# Altium PCB Remote.PcbDoc (part 2 of 3) (continued)
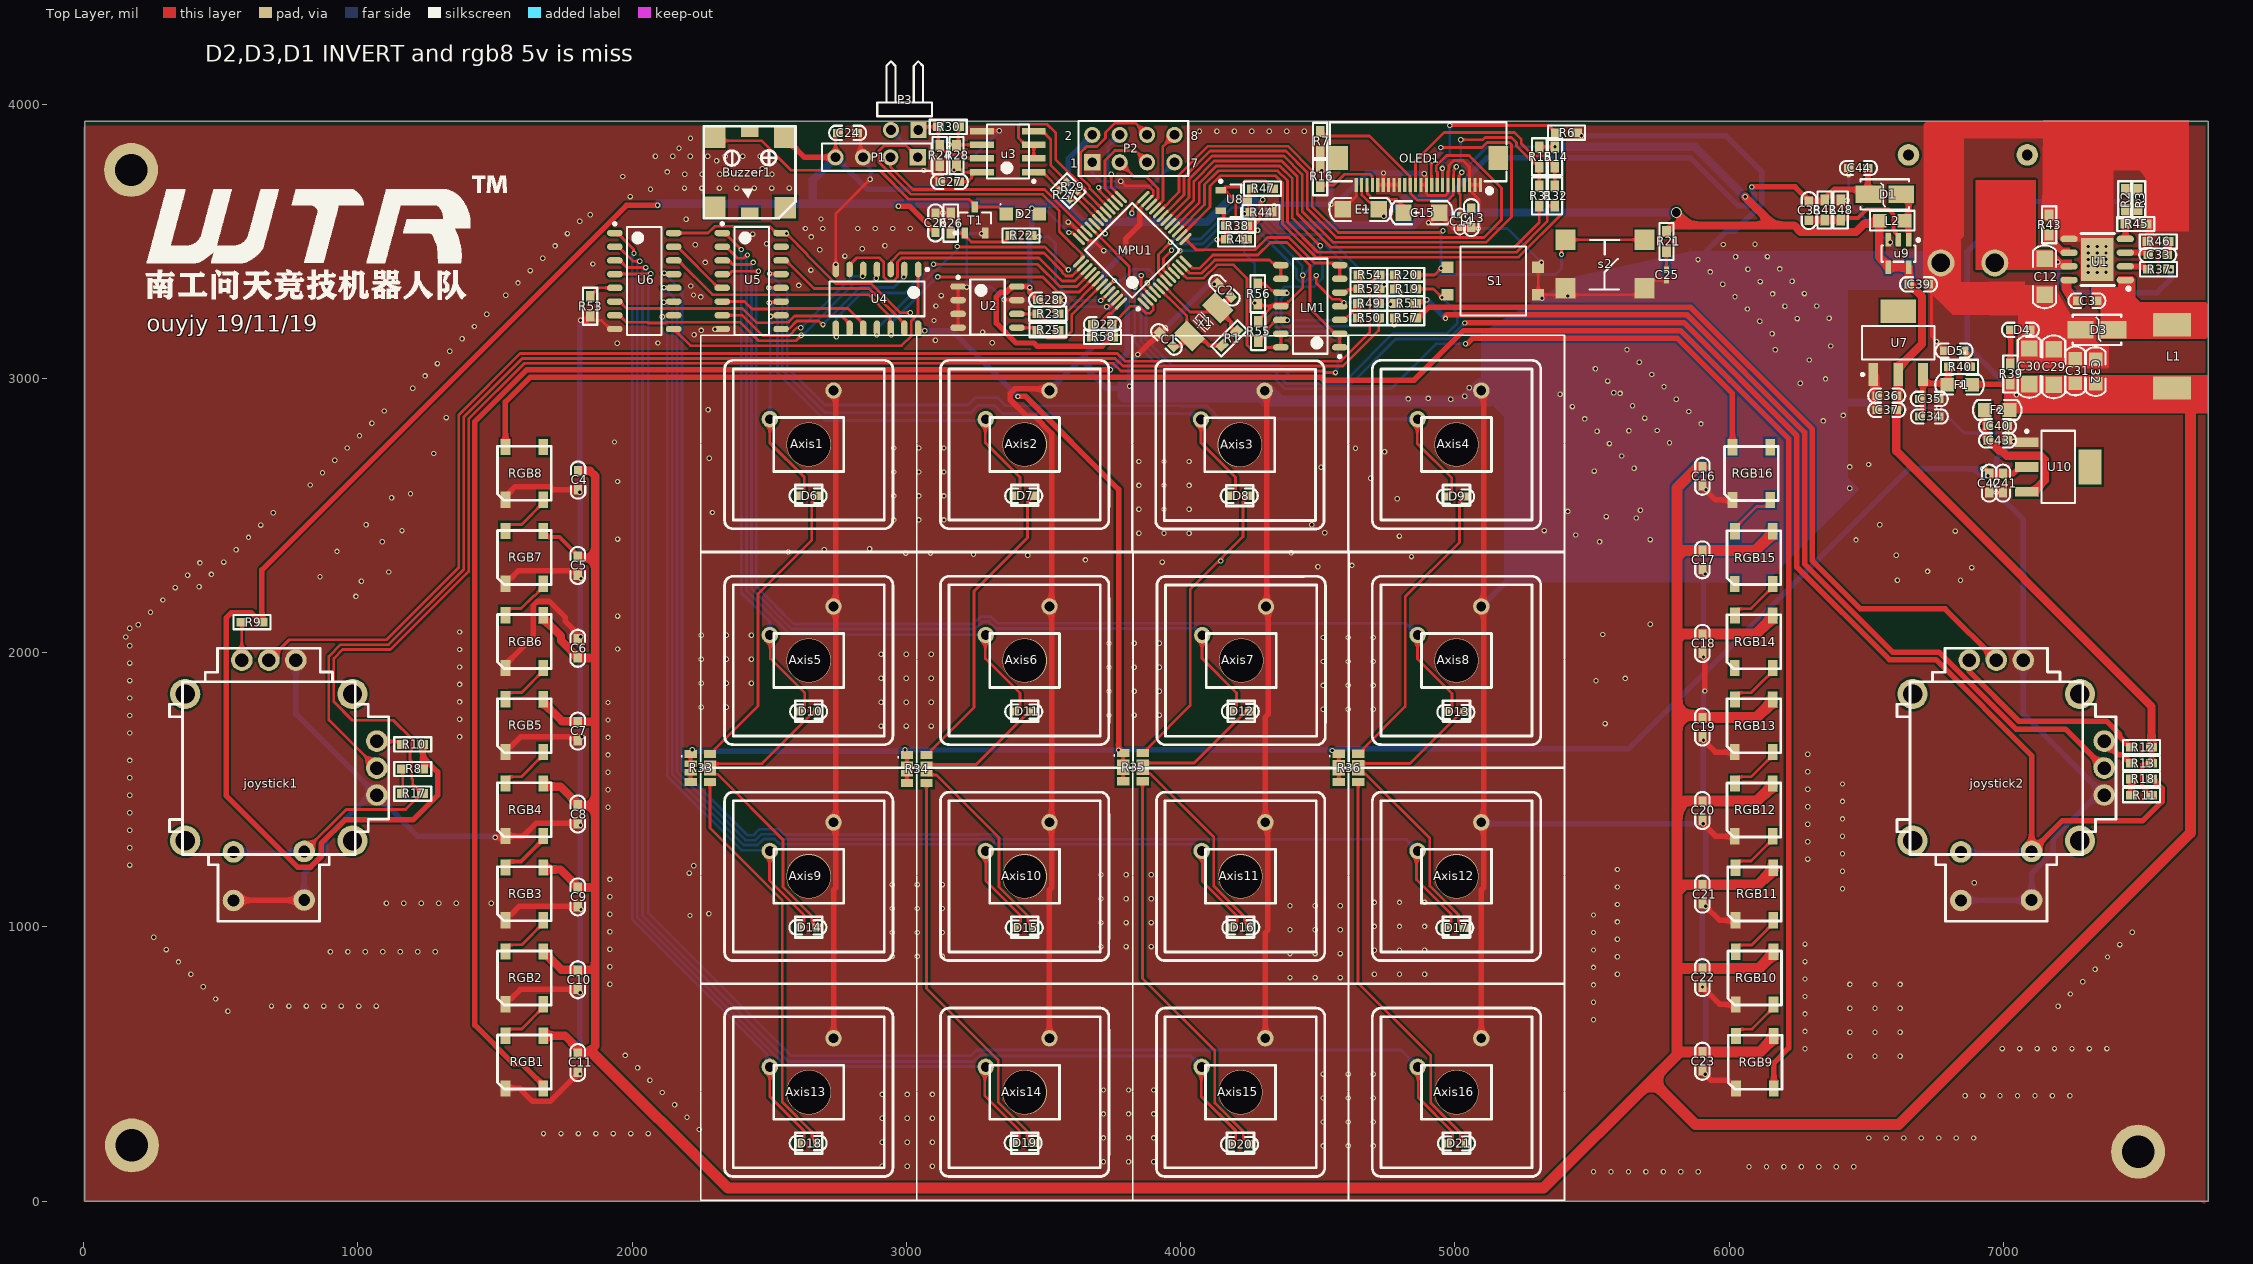
[diagram p0: Top Layer view]
## Nets (pads, with @x,y where several pads share a name; then routed paths per layer and width w, separated by ;. In a path a pad name is that pad's centre, name@x,y a point inside that pad or via, vN(x,y) a via of type N, cw(c..) or ccw(c..) an arc to the next point about the centre after c; other vN are vias at no path point) (continued)
K12: Axis12.1 D17.2 U6.13 | length 5058
  Top Layer w10: v1(2117,3384) 2118.85,3382.15 2149.42,3382.15 U6.13@2151.57,3380 ; Axis12.1@4860.27,1274.22 4860.27,1172.06 4986.22,1046.11 4986.22,1016.22 D17.2@4966,996
  Bottom Layer w10: v1(2117,3384) 2182,3319 2182,1708.91 ; 2182,1730 2182,1708.91 ; Axis12.1@4864.47,1276.62 4821.47,1319.62 4050.62,1319.62 3332.94,1319.62 3314.94,1337.62 3264.4,1337.62 3263.78,1337 2553.91,1337 2534.91,1356 2465.09,1356 2443.09,1334 2420.91,1334 2182,1572.91 2182,1708.91
K13: Axis13.1 D18.2 U6.1 | length 3623.9
  Top Layer w10: U6.1@1937,3530 1946,3530 2005.15,3470.85 2005.15,3457.85 v1(2007,3456) ; Axis13.1@2502.27,489.22 2502.27,380.45 2628.22,254.5 2628.22,231.22 D18.2@2608,211
  Bottom Layer w10: v1(2007,3456) 2001,3450 2001,1025.84 2492.7,534.14 2492.7,498.79 Axis13.1@2502.27,489.22
K14: Axis14.1 D19.2 U6.2 | length 4345.2
  Top Layer w10: U6.2@1937,3480 1950.7,3480 2003.16,3427.54 2027.46,3427.54 v1(2028,3427) ; Axis14.1@3286.27,490.22 3286.27,383.85 3412.22,257.9 3412.22,232.22 D19.2@3392,212
  Bottom Layer w10: v1(2028,3427) 2019,3418 2019,1033.3 2561.89,490.41 3288.48,490.41 Axis14.1@3289.67,489.22
K15: Axis15.1 D20.2 U6.3 | length 5117.8
  Top Layer w10: U6.3@1937,3430 1954.59,3430 1980.59,3404 v1(2050,3404) ; Axis15.1@4075.27,485.22 4075.27,382.26 4201.22,256.3 4201.22,227.22 D20.2@4181,207
  Bottom Layer w10: v1(2050,3404) 2038.07,3392.07 2038.07,3350.51 2038.07,1041.2 2570.27,509 3246,509 3270,533 3310.95,533 3314.65,529.3 4036.99,529.3 Axis15.1@4077.07,489.22
K16: Axis16.1 D21.2 U6.4 | length 5860.6
  Top Layer w10: U6.4@1937,3380 1938,3381 2067,3381 v1(2068,3382) ; Axis16.1@4866.47,488.22 4866.47,378.45 4992.42,252.5 4992.42,230.22 D21.2@4972.2,210
  Bottom Layer w10: v1(2068,3382) 2059.32,3373.32 2059.32,1050 2579.07,530.25 3235.25,530.25 3256,551 3318.4,551 ; 3318.4,550.55 4803.14,550.55 Axis16.1@4864.47,489.22
KEY_0: MPU1.38 U4.3 | length 796.6
  Top Layer w10: U4.3@2943,3397 2945.61,3399.61 2945.61,3426.88 2975.57,3456.84 3502.08,3456.84 3568.16,3390.77 3568.16,3386.54 3581.54,3373.16 3600.46,3373.16 3602.51,3375.21 3604.73,3373 MPU1.38@3643.74,3412.02
KEY_1: MPU1.39 U4.6 | length 1077.5
  Top Layer w10: U4.6@2793,3397 2793,3413.73 2819.27,3440 2901.82,3440 2917.81,3424.01 2917.81,3370.37 2932.72,3355.46 2953.28,3355.46 2968.15,3370.33 2968.15,3423.97 2983.02,3438.84 3484.26,3438.84 3568.41,3354.68 3614.25,3354.68 MPU1.39@3657.66,3398.1
KEY_2: MPU1.40 U4.8 | length 1130.4
  Top Layer w10: v1(3099,3416) 3479.26,3416 3560.26,3335 3622.4,3335 MPU1.40@3671.58,3384.18
  Bottom Layer w10: v1(2745,3151) 2745,3219.54 2836.46,3311 2994,3311 v1(3099,3416)
L_Z: joystick1.J2 MPU1.16 R17.1 | length 7603.6
  Top Layer w10: joystick1.J2@546.39,1273.17 joystick1.J2@547.31,1274.08 ; joystick1.J2@804.3,1275 957.5,1428.2 1174.45,1428.2 R17.1@1232.25,1486 ; R17.1@1236.5,1486 R17.1@1232.25,1486 ; MPU1.16@3985.04,3557.96 4068.4,3641.31 4068.4,3713 4130.15,3774.75 4361.65,3774.75 4407.57,3728.82 4407.57,3585.14 v1(4509.22,3483.5) v1@4513.5,3483.5 ; v1@4562.12,3023.88 4559.24,3021 4527.28,3021 4521.53,3026.76 3782.33,3026.76 3754.25,3054.84 1606.75,3054.84 1404,2852.09 1404,2296.09 1118.91,2011 944.46,2011 912.28,1978.82 912.28,1820.78 979.6,1753.46 1129.17,1753.46 1196.5,1686.13 1196.5,1643.87 1190,1637.37 1190,1609.63 1196.5,1603.13 1196.5,1540.5 1200,1537 1200,1518.25 R17.1@1232.25,1486
  Bottom Layer w10: joystick1.J2@546.39,1273.17 547.31,1274.08 803.38,1274.08 joystick1.J2@804.3,1275 ; v1(4509.22,3483.5) 4509.22,3422.33 4517.84,3413.71 4517.84,3365.54 4486.15,3333.84 4378.54,3333.84 4348.16,3303.46 4348.16,3188.84 4365,3172 4371.24,3172 4372.08,3171.16 4550.84,3171.16 4573,3149 4573,3037 4565,3029 v1(4565,3021)
LRGB_DIN: MPU1.3 RGB1.4 | length 5441
  Top Layer w10: v1(3857,3375) 3856.16,3374.16 3856.16,3337.41 MPU1.3@3892.9,3300.66
  Top Layer w20: RGB1.4@1675.8,411 1675.8,422.81 1600.33,498.27 1570.13,498.27 1427,641.4 1427,2842.56 1616.19,3031.76 v1(3744,3031.76)
  Bottom Layer w20: v1(3744,3031.76) 3805.16,3092.91 3805.16,3344.53 3834.12,3373.5 v1@3858.5,3373.5
LRGB_DOUT: RGB8.2 RGB9.4 | length 7514.9
  Top Layer w20: RGB8.2@1538.1,2749.67 1538.1,2914.07 1627.79,3003.76 4512,3003.76 4522.6,2993.16 4851.56,2993.16 5032.4,3174 5823,3174 6003.5,2993.5 6217,2780 6217,557.47 6163.2,503.67 RGB9.4@6163.2,410.33
MVCC3.3: Buzzer1.1 C13.2 C14.2 C24.1 C26.2 C27.1 C28.1 C36.1 C37.1 C39.2 D2.2 L2.1 LM1.4 MPU1.24 MPU1.36 MPU1.48 OLED1.5 P1.4 P2.2 R8.2 R9.1 R10.1 R11.2 R12.1 R13.1 R14.1 R15.1 R19.1 R20.2 R21.2 R23.2 R25.2 R28.1 R38.2 R58.2 U2.8 u3.8 U7.2 u9.4 u9.5 | length 17555.2
  Top Layer w10: P1.4@2742,3806 2742,3886 C24.1@2751,3895 ; R28.1@3183,3772.25 3193.75,3761.5 3198,3761.5 3207.5,3752 u3.8@3244.53,3752 ; C27.1@3192,3717 3224.5,3717 3237.72,3730.22 3237.72,3745.19 u3.8@3244.53,3752 ; u3.8@3263,3752 u3.8@3244.53,3752 ; C28.1@3480,3287 3482.5,3287 3504.75,3264.75 3519.5,3264.75 3548.25,3236 R23.2@3552.5,3236 ; v1(3530,3182.61) 3546.39,3182.61 3552.5,3176.5 R25.2@3552.5,3189.25 ; v1(3593,3532) 3605,3532 3628.94,3508.06 MPU1.36@3629.82,3508.06 ; R58.2@3747.75,3151 3729.75,3169 3726.12,3169 3718.5,3176.62 3718.5,3217.38 3738.04,3236.93 3747.04,3236.93 MPU1.48@3782.94,3272.82 ; v1(3822.53,3602) 3824.38,3603.85 3824.38,3620.49 MPU1.24@3865.06,3661.18 ; v1(4495,3375) 4495,3346.75 4553.56,3288.19 4581.19,3288.19 4593.38,3276 v1(4596,3276) ; R19.1@4784.5,3326 R20.2@4784.5,3377 ; OLED1.5@5014,3690.37 5015.42,3688.95 5015.42,3674.72 5020,3670.14 5020,3599.92 C14.2@5023.37,3603.29 ; OLED1.5@5014.64,3705.69 5015.42,3706.47 5015.42,3738.8 5025,3748.38 v1(5025,3751) ; C14.2@5018.53,3595.07 5018.53,3596.29 5023.53,3601.29 5043.53,3601.29 5060.16,3617.92 C13.2@5060.16,3620.42 ; C14.2@5023.06,3603.36 5026.69,3606.99 C14.2@5026.69,3601.73 ; C14.2@5025.53,3587.57 C14.2@5025.53,3595.07 ; R15.1@5308,3844.5 v1(5365,3844.5)
  Top Layer w15: v1(4281,3540) 4250.27,3540 4247.27,3543 4269.38,3565.11 4273.28,3565.11 4292,3583.83 4292,3643 v1(4300,3651) ; R11.2@7541,1480 7536.75,1480 7505.5,1511.25 7505.5,1592.5 7536.5,1592.5 R13.1@7541,1597 R12.1@7541,1655
  Top Layer w20: R8.2@1236.5,1575.5 1236.5,1619.25 ; R10.1@1236.5,1665 1236.5,1619.25 ; v1(2093,3631) 1979.11,3631 650,2301.89 R9.1@650,2111 645.75,2111 612,2144.75 537.75,2144.75 519.6,2126.6 519.6,1478.57 780.54,1217.63 828.06,1217.63 866,1255.57 866,1303.01 954.14,1391.15 1202.86,1391.15 1291,1479.3 1291,1564.75 1236.5,1619.25 ; Buzzer1.1@2556,3879 2629,3806 P1.4@2742,3806 ; v1(2971,3628) 3011,3628 3098.5,3540.5 3101,3540.5 3106,3535.5 C26.2@3106,3533 ; v1(3174,3760) 3174,3763.25 R28.1@3183,3772.25 ; C28.1@3480,3287 3477.5,3287 3450,3314.5 v1(3450,3331) 3446.69,3334.31 3403.98,3334.31 U2.8@3403.28,3335 3385.57,3335 3365.41,3314.84 3344.47,3314.84 3328.16,3298.53 3328.16,3201.23 3400.39,3129 3465,3129 3476.75,3117.25 3714,3117.25 R58.2@3747.75,3151
  Top Layer w30: R21.2@5772,3536 5772,3540.25 5772.75,3541 5777,3541 5793,3557 5856,3557 ; v3(5808,3605) 5856,3557 ; v1(6059,3662) 6164,3557 ; L2.1@6550,3575 L2.1@6547.6,3572.6 ; R12.1@7541,1655 7541,1803.62 6610,2734.62 C37.1@6610,2885 6612.5,2885 6617,2889.5 U7.2@6617,3014.15 6617,3038.75 6703.98,3125.73 6703.98,3298.52 6659.5,3343 C39.2@6657,3343 6656.2,3343 6656.2,3404.2 u9.5@6655.4,3405 u9.4@6580.6,3405 6580.6,3410 6547.6,3443 L2.1@6547.6,3572.6 ; 5856,3557 6164,3557 ; 6164,3557 6238,3557 6261,3534 6462.73,3534 6493.73,3565 6540,3565 L2.1@6547.6,3572.6
  Bottom Layer w10: v1(3458,3620.42) 3502.58,3620.42 3591,3532 v1(3593,3532) ; v1(3530,3182.61) v1(3530,3235) ; v1(4281,3540) 4423.16,3397.84 4423.16,3366.54 4436.54,3353.16 4455.46,3353.16 4464.31,3362.01 4473.16,3353.16 v1(4495,3375) ; v1(4596,3276) 4680.71,3276 4693.71,3289 4736.54,3289 4753.54,3306 4795.42,3306 v1(4804,3314.58) ; v1(5025,3751) 5118.5,3844.5 v1(5365,3844.5)
  Bottom Layer w20: P1.4@2742,3806 2858.84,3689.16 3103.16,3689.16 v1(3174,3760) ; v1(3450,3331) 3450,3522.38 3458,3530.38 v1(3458,3620.42) ; 3590.26,3622.74 3590.26,3636.84 3590.26,3800.26 P2.2@3678,3888 ; 3804,3570.51 3822.53,3589.04 v1(3822.53,3602)
  Bottom Layer w30: v1@2093,3634 2095.84,3636.84 2659,3636.84 2971,3636.84 3590.26,3636.84 ; 2659,3649 2659,3723 P1.4@2742,3806 ; 3590.26,3622.74 3642.49,3570.51 3804,3570.51 4096.46,3570.51 4179.95,3654 4264.55,3654 4360.55,3558 4847.54,3558 4894.54,3605 v3(5808,3605) ; v1(5365,3844.5) 5876.5,3844.5 v1(6059,3662)
NetBuzzer1_2: Buzzer1.2 D2.1 T1.3 | length 1184
  Top Layer w10: Buzzer1.2@2301,3879.35 2313.69,3866.67 2471.21,3866.67 2578.88,3759 2903,3759 3009,3653 3228.96,3653 3249.6,3632.36 T1.3@3249.6,3625.15 ; T1.3@3249.6,3624.49 T1.3@3249.6,3625.15 ; D2.1@3363.96,3599 3362.98,3599 3336.83,3625.15 T1.3@3249.6,3625.15
NetC1_1: C1.1 MPU1.5 R1.2 x1.1 | length 431.9
  Top Layer w10: MPU1.5@3920.74,3328.5 3956.4,3292.84 3957.46,3292.84 4022.75,3227.55 4022.75,3164.24 x1.1@4032.5,3154.5
  Top Layer w15: C1.1@3973.33,3117.25 3995.25,3117.25 x1.1@4032.5,3154.5 4069.22,3154.5 4103.53,3120.19 4134.51,3120.19 4137.52,3117.18 4149.18,3117.18 R1.2@4152.19,3120.19
NetC2_2: C2.2 MPU1.6 R1.1 x1.2 | length 433.7
  Top Layer w10: MPU1.6@3934.66,3342.42 4035.08,3242 4120,3242 x1.2@4135.5,3257.5
  Top Layer w15: C2.2@4184,3297 4144.5,3257.5 x1.2@4135.5,3257.5 4135.5,3253.5 4183.5,3205.5 4183.5,3186.11 4200.8,3168.8 R1.1@4203.81,3171.81
NetC3_1: C3.1 D3.2 L1.1 U1.1
NetC3_2: C3.2 U1.8
NetC25_1: C25.1 R21.1 | length 66.3
  Top Layer w10: C25.1@5772,3396.68 R21.1@5772,3463
NetC33_1: C33.1 U1.3 | length 87.2
  Top Layer w20: U1.3@7444.87,3458.5 7517.51,3458.5 7526.01,3450 C33.1@7528.51,3450
NetC33_2: C33.2 R46.2 | length 50.7
  Top Layer w20: C33.2@7597.51,3450 7599.51,3452 7599.51,3497 R46.2@7601.51,3499
NetC34_2: C34.2 C35.2 F1.2 R40.1 U7.3 | length 321.1
  Top Layer w20: C34.2@6696.55,2861 6699.05,2861 6704.05,2866 6704.05,2868.5 6707.55,2872 U7.3@6707.55,2989.54 ; U7.3@6707.55,3014.15 U7.3@6707.55,2989.54 ; R40.1@6804,3042 6800,3038 6800,2981 F1.2@6796,2977 6791.18,2981.82 6715.27,2981.82 U7.3@6707.55,2989.54
NetC38_1: C38.1 R42.1 R48.2 u9.2 | length 467.3
  Top Layer w15: R48.2@6414,3585 6470.59,3585 6501.09,3615.5 6581.42,3615.5 6599.5,3597.42 6599.5,3543.58 6606.1,3536.98 6606.1,3531.9 6618,3520 u9.2@6618,3505
  Top Layer w20: C38.1@6291,3577 R48.2@6407,3577 6407,3572.9 6412.75,3567.15 6412.75,3583.75 R48.2@6414,3585 ; u9.2@6618,3490 u9.2@6618,3505
NetC40_2: C40.2 C43.2 F2.2 U10.3 | length 516.3
  Top Layer w30: F2.2@6933,2885 6939,2879 6939,2779 6944,2774 C43.2@6945,2774 6945,2777.97 6986.97,2736 6995.5,2736 7013.78,2717.72 7137.5,2717.72 7150.97,2704.24 7150.97,2627.17 7110.25,2586.45 U10.3@7085.65,2586.45
NetD1_1: D1.1 L2.2 u9.1 | length 180.8
  Top Layer w20: D1.1@6628,3671 6633.91,3671 6655.4,3649.5 u9.1@6655.4,3505
NetD4_1: D4.1 R39.2 | length 125.1
  Top Layer w20: R39.2@7026,3052.5 7026.75,3053.25 7026.75,3176.25 D4.1@7027.5,3177
NetD5_1: D5.1 R40.2 | length 69.2
  Top Layer w20: D5.1@6856,3101 6858.5,3101 6871.75,3087.75 6871.75,3047.25 R40.2@6877,3042
NetD6_1: D6.1 R33.8 | length 1108.9
  Top Layer w10: R33.8@2284,1630.43 2291.87,1630.43 2301.64,1640.2 2301.64,1648.07 2459.27,1805.7 2459.27,2214.26 2655.56,2410.55 2655.56,2550.78 D6.1@2676.78,2572
NetD7_1: D7.1 R34.8 | length 1110.8
  Top Layer w10: R34.8@3073.43,1627.18 3081.31,1627.18 3091.07,1636.94 3091.07,1644.82 3246.67,1800.42 3246.67,2223.85 3441.78,2418.96 3441.78,2550.78 D7.1@3463,2572
NetD8_1: D8.1 R35.8 | length 1104.1
  Top Layer w10: R35.8@3861.43,1633.18 3869.31,1633.18 3879.07,1642.94 3879.07,1650.82 4035,1806.75 4035,2229.91 4228,2422.91 4228,2550.78 D8.1@4249.22,2572
  other v1: 4147,2334
NetD9_1: D9.1 R36.8 | length 1104.2
  Top Layer w10: R36.8@4647.43,1631.18 4655.31,1631.18 4665.07,1640.94 4665.07,1648.82 4819,1802.75 4819,2203.52 5016.78,2401.3 5016.78,2547.78 D9.1@5038,2569
NetD10_1: D10.1 R33.7 | length 457.5
  Top Layer w10: R33.7@2284,1595 2474.13,1595 2652.84,1773.71 2652.84,1773.94 D10.1@2663,1784.09
NetD11_1: D11.1 R34.7 | length 475.7
  Top Layer w10: R34.7@3073.43,1591.75 3255.1,1591.75 3455.68,1792.32 D11.1@3463,1785
NetD12_1: D12.1 R35.7 | length 475.6
  Top Layer w10: R35.7@3861.43,1597.75 4050.1,1597.75 4245.68,1793.32 D12.1@4253,1786
NetD13_1: D13.1 R36.7 | length 469.1
  Top Layer w10: R36.7@4647.43,1595.75 4837.1,1595.75 5024.35,1783 D13.1@5039,1783
NetD14_1: D14.1 R33.6 | length 739.8
  Top Layer w10: R33.6@2284,1563.5 2290.81,1556.69 2311.16,1556.69 2550.29,1317.57 2550.29,1145.29 2654.78,1040.8 2654.78,1019.22 D14.1@2676,998
NetD15_1: D15.1 R34.6 | length 742.6
  Top Layer w10: R34.6@3073.43,1560.25 3080.24,1553.44 3109.56,1553.44 3337.69,1325.31 3337.69,1145.29 3443.78,1039.2 3443.78,1018.22 D15.1@3465,997
NetD16_1: D16.1 R35.6 | length 743.1
  Top Layer w10: R35.6@3861.43,1566.25 3868.24,1559.44 3888.6,1559.44 4121,1327.04 4121,1149.38 4233.56,1036.82 4233.56,1019.22 D16.1@4254.78,998
NetD17_1: D17.1 R36.6 | length 740.7
  Top Layer w10: R36.6@4647.43,1564.25 4654.24,1557.44 4674.6,1557.44 4909,1323.04 4909,1148.78 5013.78,1044 5013.78,1017.22 D17.1@5035,996
NetD18_1: D18.1 R33.5 | length 1479.9
  Top Layer w10: R33.5@2284,1528.07 2284,1360.67 2548,1096.67 2548,360.18 2655.78,252.4 2655.78,232.22 D18.1@2677,211
NetD19_1: D19.1 R34.5 | length 1473.4
  Top Layer w10: R34.5@3073.43,1524.82 3073.43,775.57 3335,514 3335,360.58 3439.78,255.8 3439.78,233.22 D19.1@3461,212
NetD20_1: D20.1 R35.5 | length 1484.8
  Top Layer w10: R35.5@3861.43,1530.82 3861.43,811.57 4125,548 4125,357.98 4228.78,254.2 4228.78,228.22 D20.1@4250,207
NetD21_1: D21.1 R36.5 | length 1481.9
  Top Layer w10: R36.5@4647.43,1528.82 4647.43,795.57 4912.5,530.5 4912.5,357.89 5019.98,250.4 5019.98,231.22 D21.1@5041.2,210
NetD22_1: D22.1 R58.1 | length 46.4
  Top Layer w20: R58.1@3679,3151 3679.5,3151.5 3679.5,3196.5 D22.1@3680,3197
NetD22_2: D22.2 MPU1.2 | length 300.1
  Top Layer w10: D22.2@3749,3197 3751.5,3197 3817.85,3263.35 3847.8,3263.35 3873.24,3237.91 3888.9,3237.91 3899.98,3248.99 3899.98,3264.65 3878.19,3286.44 3857.5,3307.12 3857.5,3307.74 3878.49,3286.74 MPU1.2@3878.98,3286.74
Netjoystick1_1: joystick1.1 R9.2 | length 142.6
  Top Layer w10: joystick1.1@576.97,1972.7 R9.2@577,2111 ; R9.2@577,2111 R9.2@581.25,2111
Netjoystick1_4: joystick1.4 R10.2 | length 137.6
  Top Layer w10: joystick1.4@1087.7,1677.43 joystick1.4@1069.09,1677.43 1070.77,1675.75 1152.75,1675.75 R10.2@1163.5,1665 1167.75,1665 R10.2@1178.5,1675.75
Netjoystick2_1: joystick2.1 R12.2 | length 752.5
  Top Layer w20: joystick2.1@6876.18,1972.7 6876.18,1931.17 7058.35,1749 7377.87,1749 7425.68,1701.19 7425.68,1693.07 7463.75,1655 R12.2@7468,1655
Netjoystick2_4: joystick2.4 R13.2 | length 133
  Top Layer w20: joystick2.4@7368.31,1677.43 7417.36,1628.37 7432.38,1628.37 7463.75,1597 R13.2@7468,1597
NetLM1_3: LM1.3 R49.2 R50.1 | length 153.8
  Top Layer w10: LM1.3@4580.57,3213 4597.3,3213 4634.5,3250.2 4634.5,3262.25 4645.25,3273 R49.2@4649.5,3273 R50.1@4649.5,3220
NetLM1_5: LM1.5 R52.2 R54.1 | length 130.2
  Top Layer w10: LM1.5@4580.57,3313 4600.99,3313 4612.99,3325 4649,3325 R52.2@4651,3327 ; R52.2@4651,3323 R52.2@4651,3327 ; R54.1@4651,3377 R52.2@4651,3327
NetLM1_10: LM1.10 R56.1 R57.1 | length 668.5
  Top Layer w10: LM1.10@4366,3313 4358.81,3320.19 4331.53,3320.19 4306.72,3345 R56.1@4283,3345 ; v1(4779,3196) 4779,3200 4776,3203 4784.5,3211.5 R57.1@4784.5,3220 ; R56.1@4283,3345 4283,3343.61 R56.1@4281.61,3345 R56.1@4283,3345
  Bottom Layer w10: v1(4388,3311) 4366.16,3289.16 4366.16,3202.54 4379.54,3189.16 4398.46,3189.16 4399.3,3190 4677.46,3190 4683.46,3196 v1(4779,3196)
NetLM1_12: LM1.12 R51.1 R55.1 | length 581.7
  Top Layer w10: R55.1@4283,3134.26 4320.2,3171.46 4320.2,3183.94 4349.27,3213 LM1.12@4366,3213 ; v1(4765,3270) 4765,3281.5 4770.5,3287 R51.1@4784.5,3273
  Bottom Layer w10: v1(4389,3212) 4674,3212 4732,3270 v1(4765,3270) 4765,3284 4761,3288
NetR2_1: R2.1 R3.1 | length 46
  Top Layer w20: R2.1@7445.51,3688 R3.1@7491.51,3688
NetR2_2: R2.2 R45.2 U1.4 | length 107.4
  Top Layer w20: U1.4@7444.87,3508.5 7445.94,3509.57 7445.94,3563.43 7446.26,3563.75 7446.26,3614.25 R2.2@7445.51,3615
NetR8_1: R8.1 R17.2 | length 89.5
  Top Layer w10: R17.2@1163.5,1486 R8.1@1163.5,1575.5
NetR11_1: R11.1 R18.2 | length 59
  Top Layer w20: R11.1@7468,1480 R18.2@7468,1539
NetR22_2: R22.2 R26.1 T1.1 | length 247.7
  Top Layer w10: R26.1@3162,3529.5 3162.5,3530 T1.1@3212.2,3530 3212.2,3522.13 3237.01,3497.31 3357.81,3497.31 R22.2@3381.5,3521
NetR37_1: R37.1 U1.2 | length 89
  Top Layer w20: U1.2@7444.87,3408.5 7514.75,3408.5 7525.25,3398 R37.1@7529.51,3398
NetR41_1: R41.1 R47.2 U8.1 | length 433.8
  Top Layer w10: U8.1@4146.76,3685.4 U8.1@4154.63,3685.4 ; R41.1@4240.72,3507 4236.47,3507 4216.22,3527.25 4215.77,3527.25 4201.16,3541.87 4201.16,3646.84 4157.2,3690.8 4154.87,3690.8 4161.69,3697.61 4213.98,3697.61 4237.12,3720.75 4308.5,3720.75 4331.25,3698 R47.2@4335.5,3698
NetR43_2: R43.2 U1.6
NetR53_1: R53.1 U6.5 | length 105.1
  Top Layer w10: R53.1@1847,3299.5 1847,3303.75 1857.75,3314.5 1862,3314.5 1877.5,3330 U6.5@1937,3330
NetRGB1_2: RGB1.2 RGB2.4 | length 199
  Top Layer w10: RGB1.2@1538.1,603 1538.1,614.81 1550.82,627.53 1597.47,627.53 1675.8,705.86 RGB2.4@1675.8,717.67
NetRGB2_2: RGB2.2 RGB3.4 | length 199
  Top Layer w10: RGB2.2@1538.1,909.67 1538.1,921.48 1550.82,934.19 1597.47,934.19 1675.8,1012.52 RGB3.4@1675.8,1024.33
NetRGB3_2: RGB3.2 RGB4.4 | length 199
  Top Layer w15: RGB3.2@1538.1,1216.33 1538.1,1228.14 1548.32,1238.36 1594.97,1238.36 1675.8,1319.19 RGB4.4@1675.8,1331
NetRGB4_2: RGB4.2 RGB5.4 | length 199
  Top Layer w10: RGB4.2@1538.1,1523 1538.1,1534.81 1550.82,1547.53 1597.47,1547.53 1675.8,1625.86 RGB5.4@1675.8,1637.67
NetRGB5_2: RGB5.2 RGB6.4 | length 199
  Top Layer w10: RGB5.2@1538.1,1829.67 1538.1,1841.48 1550.82,1854.19 1597.47,1854.19 1675.8,1932.52 RGB6.4@1675.8,1944.33
NetRGB6_2: RGB6.2 RGB7.4 | length 187.2
  Top Layer w10: RGB6.2@1538.1,2148.14 1550.82,2160.86 1595.3,2160.86 1641.3,2206.86 1643.47,2206.86 1675.8,2239.19 RGB7.4@1675.8,2251
NetRGB7_2: RGB7.2 RGB8.4 | length 199
  Top Layer w10: RGB7.2@1538.1,2443 1538.1,2454.81 1550.82,2467.53 1597.47,2467.53 1675.8,2545.86 RGB8.4@1675.8,2557.67
NetRGB9_2: RGB9.2 RGB10.4 | length 198
  Top Layer w10: RGB9.2@6025.5,602.33 6025.5,614.14 6038.22,626.86 6083.87,626.86 6162.2,705.19 RGB10.4@6162.2,717
NetRGB10_2: RGB10.2 RGB11.4 | length 198
  Top Layer w10: RGB10.2@6024.5,909 6024.5,920.81 6037.22,933.53 6082.87,933.53 6161.2,1011.86 RGB11.4@6161.2,1023.67
NetRGB11_2: RGB11.2 RGB12.4 | length 197
  Top Layer w10: RGB11.2@6023.5,1215.67 6023.5,1227.48 6036.22,1240.19 6080.87,1240.19 6159.2,1318.52 RGB12.4@6159.2,1330.33
NetRGB12_2: RGB12.2 RGB13.4 | length 199
  Top Layer w10: RGB12.2@6021.5,1522.33 6021.5,1534.14 6034.22,1546.86 6080.87,1546.86 6159.2,1625.19 RGB13.4@6159.2,1637
NetRGB13_2: RGB13.2 RGB14.4 | length 199
  Top Layer w10: RGB13.2@6021.5,1829 6021.5,1840.81 6034.22,1853.53 6080.87,1853.53 6159.2,1931.85 RGB14.4@6159.2,1943.67
NetRGB14_2: RGB14.2 RGB15.4 | length 199
  Top Layer w10: RGB14.2@6021.5,2135.67 6021.5,2147.48 6034.22,2160.19 6080.87,2160.19 6159.2,2238.52 RGB15.4@6159.2,2250.33
NetRGB15_2: RGB15.2 RGB16.4 | length 190
  Top Layer w10: RGB15.2@6021.5,2442.33 6021.5,2454.14 6099.83,2532.47 6137.48,2532.47 6150.2,2545.19 RGB16.4@6150.2,2557
NetU5_5: U5.5 U6.15 | length 239.3
  Top Layer w10: U6.15@2151.57,3480 2165.14,3480 2315.14,3330 U5.5@2328.72,3330
NRST: MPU1.7 s2.1 | length 2159.5
  Top Layer w10: MPU1.7@3948.58,3356.34 3948.58,3356.83 3919.42,3385.99 3919.42,3452.12 3963.59,3496.29 v1(3963.59,3497.05) ; v1(5389,3452) 5389,3491.27 s2.1@5403.31,3505.58 s2.1@5692.68,3505.58
  Bottom Layer w10: v1(3963.59,3497.05) 3966.21,3497.05 3977.16,3508 4073.54,3508 4188.39,3622.84 4255.92,3622.84 4354.42,3524.34 4526.14,3524.34 4671.92,3378.56 5367.56,3378.56 5389,3400 v1(5389,3452)
R_Z: joystick2.J2 MPU1.4 R18.1 | length 5859.2
  Top Layer w10: v1(3879,3349) 3880.85,3347.15 3880.85,3341.04 3906.82,3315.07 MPU1.4@3906.82,3314.58 MPU1.4@3907.31,3314.58
  Top Layer w20: v1@5044,3202.99 5835.01,3202.99 6247,2791 6247,2312 6584.93,1974.07 6754.08,1974.07 7103.51,1624.64 joystick2.J2@7103.51,1275 7215.63,1387.12 7509.32,1387.12 7579,1456.8 7579,1505.25 7545.25,1539 R18.1@7541,1539
  Bottom Layer w10: v1@3879.93,3348.07 3855.84,3323.99 3855.84,3134.7 3961.54,3029 4338.46,3029 4387.3,2980.16 4620.92,2980.16 4784.76,3144 4978,3144 v1(5036,3202) ; joystick2.J2@6845.61,1273.17 6846.52,1274.08 7102.59,1274.08 joystick2.J2@7103.51,1275
RES: MPU1.19 OLED1.9 | length 2121.6
  Top Layer w10: 3956.14,3612.57 3935.15,3591.58 MPU1.19@3934.66,3591.58 3955.9,3612.82 4012.54,3669.46 4012.54,3733.5 4107.79,3828.75 4384.02,3828.75 4462,3750.76 4462,3620 4568,3514 5106.31,3514 5170.77,3578.46 5170.77,3694.44 5052.37,3812.84 4969.84,3812.84 4932.16,3775.16 4932.16,3756.23 4936.68,3751.71 4936.68,3712.56 OLED1.9@4935.12,3711
RRGB_DOUT: MPU1.33 RGB16.2 | length 3084.8
  Top Layer w10: MPU1.33@3671.58,3549.82 3671.58,3549.39 3702.16,3518.82 3702.16,3518.54 3813,3407.7 3813,3353 v1(3833,3333)
  Top Layer w20: v1@5044,3126 5064,3146 5811.4,3146 5975.5,2981.9 6012.5,2944.9 RGB16.2@6012.5,2749
  Bottom Layer w10: v1(3833,3333) 3833,3132.09 3954.09,3011 4331,3011 4379.84,2962.16 4767.4,2962.16 4931.24,3126 v1(5039,3126)
SCL: OLED1.13 R14.2 R32.1 | length 771.5
  Top Layer w10: OLED1.13@4857.16,3705.69 4857.16,3793.16 4961,3897 5201.37,3897 5202.06,3896.31 5217.69,3896.31 5242.77,3871.23 5242.77,3855.6 5286.87,3811.5 5329.25,3811.5 5365,3775.75 R14.2@5365,3771.5 R32.1@5365,3702
SPI1_MOSI: MPU1.17 R31.2 | length 1788.6
  Top Layer w10: MPU1.17@3962.5,3563.74 3962.74,3563.74 4048.54,3649.54 4048.54,3718.59 4122.7,3792.75 4369.1,3792.75 4425.57,3736.28 4425.57,3600.43 4548,3478 5217.22,3478 5308,3568.78 R31.2@5308,3629
SPI1_SCK: MPU1.15 R32.2 | length 1823.7
  Top Layer w10: MPU1.15@3990.34,3535.9 4087.74,3633.3 4087.74,3706.88 4137.61,3756.75 4354.19,3756.75 4389.57,3721.37 4389.57,3570.84 4500.41,3460 5224.68,3460 5336.75,3572.07 5336.75,3629 R32.2@5365,3629
SPI2_MISO: MPU1.27 P2.7 | length 400.2
  Top Layer w10: v1(3701,3696) 3701,3687.44 MPU1.27@3755.1,3633.34
  Bottom Layer w10: v1(3701,3696) 3886,3696 P2.7@3978,3788
SPI2_MOSI: MPU1.28 P2.6 | length 563.9
  Top Layer w10: MPU1.28@3741.18,3619.42 3741.18,3619.91 3669.23,3691.85 3669.23,3699.22 3635.47,3732.98 3635.47,3822.91 3658.03,3845.47 3695.62,3845.47 3726.27,3876.13 3726.27,3896.42 3760.38,3930.53 3835.47,3930.53 P2.6@3878,3888
SPI2_SCK: MPU1.26 P2.5 | length 352.1
  Top Layer w10: MPU1.26@3769.02,3647.26 3724.16,3692.12 3724.16,3794.3 3760.38,3830.53 3835.47,3830.53 P2.5@3878,3788
SWCLK: MPU1.37 P1.1 | length 1165.4
  Top Layer w10: P1.1@3042,3806 2999.47,3848.53 2919.53,3848.53 2899.47,3828.47 2899.47,3788.38 3016.86,3671 3497.11,3671 3558,3610.11 3558,3534.7 3583.54,3509.16 3584.84,3509.16 3641.7,3452.3 3641.7,3437.82 MPU1.37@3629.82,3425.94
SWDIO: MPU1.34 P1.2 | length 847.9
  Top Layer w10: P1.2@2942,3806 2942,3771.31 3024.31,3689 3504.56,3689 MPU1.34@3657.66,3535.9
UART_RX: MPU1.31 R27.2 | length 137.3
  Top Layer w10: R27.2@3592.97,3652.03 3595.09,3649.91 3627.17,3649.91 MPU1.31@3699.42,3577.66
UART_TX: MPU1.30 R29.1 | length 128.8
  Top Layer w10: R29.1@3621.97,3682.03 3622.43,3682.03 3712.88,3591.58 MPU1.30@3713.34,3591.58
VCCOMH: C15.1 OLED1.22 | length 173.3
  Top Layer w10: OLED1.22@4680.77,3696 4680.77,3674.72 4696.49,3659 4757.38,3659 4764.38,3652 4788,3652 C15.1@4813,3627
VIN: C12.2 P4.1 R37.2 U1.7 | length 547.6
  Bottom Layer w20: v1(7199,3424) 7199,3361 7247,3313 7561,3313 7611,3363 v1(7611,3395)
VLED3.3: C41.1 C42.1 R33.1 R33.2 R33.3 R33.4 R34.1 R34.2 R34.3 R34.4 R35.1 R35.2 R35.3 R35.4 R36.1 R36.2 R36.3 R36.4 U4.14 U5.16 U6.16 U10.2 | length 8803.9
  Top Layer w10: U6.16@2151.57,3530 2276.9,3530 2301.71,3554.81 2501.74,3554.81 2528.55,3528 v1(2563,3528) 2638.52,3452.48 2638.52,3449.66 2742.18,3346 2871.62,3346 2978.62,3239 v1(3014,3239) ; R33.4@2213.13,1528.07 R33.3@2213.13,1563.5 R33.2@2213.13,1595 R33.1@2213.13,1630.43 ; R34.4@3002.57,1524.82 R34.3@3002.57,1560.25 R34.2@3002.57,1591.75 R34.1@3002.57,1627.18 ; U4.14@3043,3182.43 3043,3180.29 3049.29,3174 v1(3067,3174) ; R35.4@3790.57,1530.82 R35.3@3790.57,1566.25 R35.2@3790.57,1597.75 R35.1@3790.57,1633.18 ; R36.4@4576.57,1528.82 R36.3@4576.57,1564.25 R36.2@4576.57,1595.75 R36.1@4576.57,1631.18
  Top Layer w20: v1(3407,2934) 3435.5,2934 3774,2595.5 v1(3774,1645) ; v1(6926,2670) 6934.5,2670 6949,2655.5 C42.1@6949,2653 7037.04,2653 7061.04,2677 U10.2@7085.65,2677
  Bottom Layer w10: v1(3014,3239) 3015.85,3237.15 3015.85,3225.15 v1(3067,3174)
  Bottom Layer w20: v1(2219,1646) 2225,1640 2980,1640 ; 2980,1646 v1(2995,1646) 2996.18,1644.82 3774,1644.82 3804.18,1644.82 3804,1645 4553,1645 4573,1645 4569,1649 5633,1649 6654,2670 6899,2670 ; v1(3067,3174) 3167,3174 v1(3407,2934) ; v1(6926,2670) 6899,2670 ; v1(6944,2645) 6924,2645 6899,2670
  other v1: 4553,1643
pads on no net: Buzzer1. joystick1. joystick2. MPU1.1 MPU1.46 OLED1.0 OLED1.4 OLED1.15 P4.0 RGB8.1 RGB14.3 RGB15.3 RGB16.1 U5.15 U7.4 U10.4

## Polygon pours and split planes (outlines as drawn)
GND on Bottom Layer "Bottom Layer-No Net" (solid, remove dead copper, pour order 0): 10,3935 3,3928 3,14 7725,14 7740,-1 7740,3935
GND on Top Layer "Top Layer-No Net" (solid, remove dead copper, pour order 2): 6,3921 -1,3914 -1,0 7721,0 7736,-15 7736,3921

## Other copper
Top Layer:
  region net GND: 7155,3756 7162.61,3876 6856,3876 6856,3517.39 6843.3,3504.7 6842.5,3505.5 6710.5,3505.5 6710.5,3926.5 6721.01,3937.01 7166.47,3937.01
  region net GND: 6947,3351 6845.61,3351 6845.61,3502.39 6841,3507 6712,3507 6709,3504 6709,3338 6815,3232 6964,3232
  region net GND: 7078,3231 6950,3231 6947,3234 6947,3351 6948,3352 7079,3352 7079,3331
  region net GND: 7142,3577 7192,3577 7208,3561 7208,3504 7210.43,3504 7218,3496.43 7219.57,3498 7283,3498 7283,3357.97 7285,3355.97 7401,3356 7401,3759.63 7498.37,3759.63 7520.01,3729 7520.01,3724.01 7520.01,3495.99 7522,3494 7522,3485 7548,3485 7548,3536 7635,3536 7647,3536 7664,3536 7677,3536 7677,3541 7677,3940 7146,3940 7145,3941
  region net +5V: 7746,3011.64 7730.64,3011.64 7003,3011.64 7003,2878 7008,2873 7746,2873
  region net NetC3_1: 7321.61,3263 7321.61,3330.61 7323,3332 7417,3332 7419,3330 7419,3372 7472,3372 7481,3363 7481,3296 7498,3279 7498,3278 7738,3278 7749,3267 7749,3154 7739,3144 7356,3144 7355,3143 7355,3250 7343,3262
  region net NetC3_2: 7248,3331 7269.85,3301 7246.68,3301
  region net NetC3_2: 7248.1,3302.59 7249.7,3301 7290,3301 7290,3263.59 7248.22,3263.59
  region net NetC3_2: 7290,3263.59 7290,3301 7282.14,3301 7281.19,3300.05
  region net NetC3_2: 7213,3371 7213,3323.73 7234.22,3288.59 7248.22,3263.59 7247.99,3341.59 7247.99,3371
  region net NetR43_2: 7242,3477 7219,3477 7216,3480 7191,3505 7191,3543 7146,3543 7144,3545 7144,3502 7149.57,3496.43 7167,3496.43 7215.71,3447.71 7217,3449 7247,3449
  region net VIN: 7250,3397 7249,3432 7248,3433 7213,3433 7177,3469 7118,3469 7118,3723 6899.5,3723 6899.5,3396 7250,3396
  region: 7223,3267
  region: 7223,3267
  region net GND: 7055,3339 7055,3052 7070,3037 7381,3037 7387,3043 7384,3046 7384,3121 7354,3121 7337,3138 7337,3225 7250,3225 7182,3339
Bottom Layer:
  region net GND: 4360,2953 4345,2953 4311,2987 3771,2987 3771,2927 3785,2913 4303.11,2913
  region net GND: 5143,2908 5133,2898 4300,2898 4261,2937 4274,2950 4274,2984 4326,2984 4373,2937 5020,2937 5082,2999 5126,2999
  region net GND: 5855,3474 5865,3464 6726,3464 6761,3499 6840,3499 6840,3362 6831,3353 6711,3353 6704,3360 6667,3323 6433,3323 6433,2638 6475,2596 6136,2257 5181,2257 5181,2890 5115.24,2955.76 5096.76,2955.76 5096.76,3166.76 5438,3371 5861,3464